# Altium PCB 4G_V4.0_5X4.PcbDoc (part 2 of 4)
Units mm, origin at the board's own origin, x right, y up, seen from the top; angles counter-clockwise.
Board outline 189.75 x 201.25 mm, 2 copper layers (Top Layer, Bottom Layer); 760 components, 0 nets, 5752 pads, 780 vias.
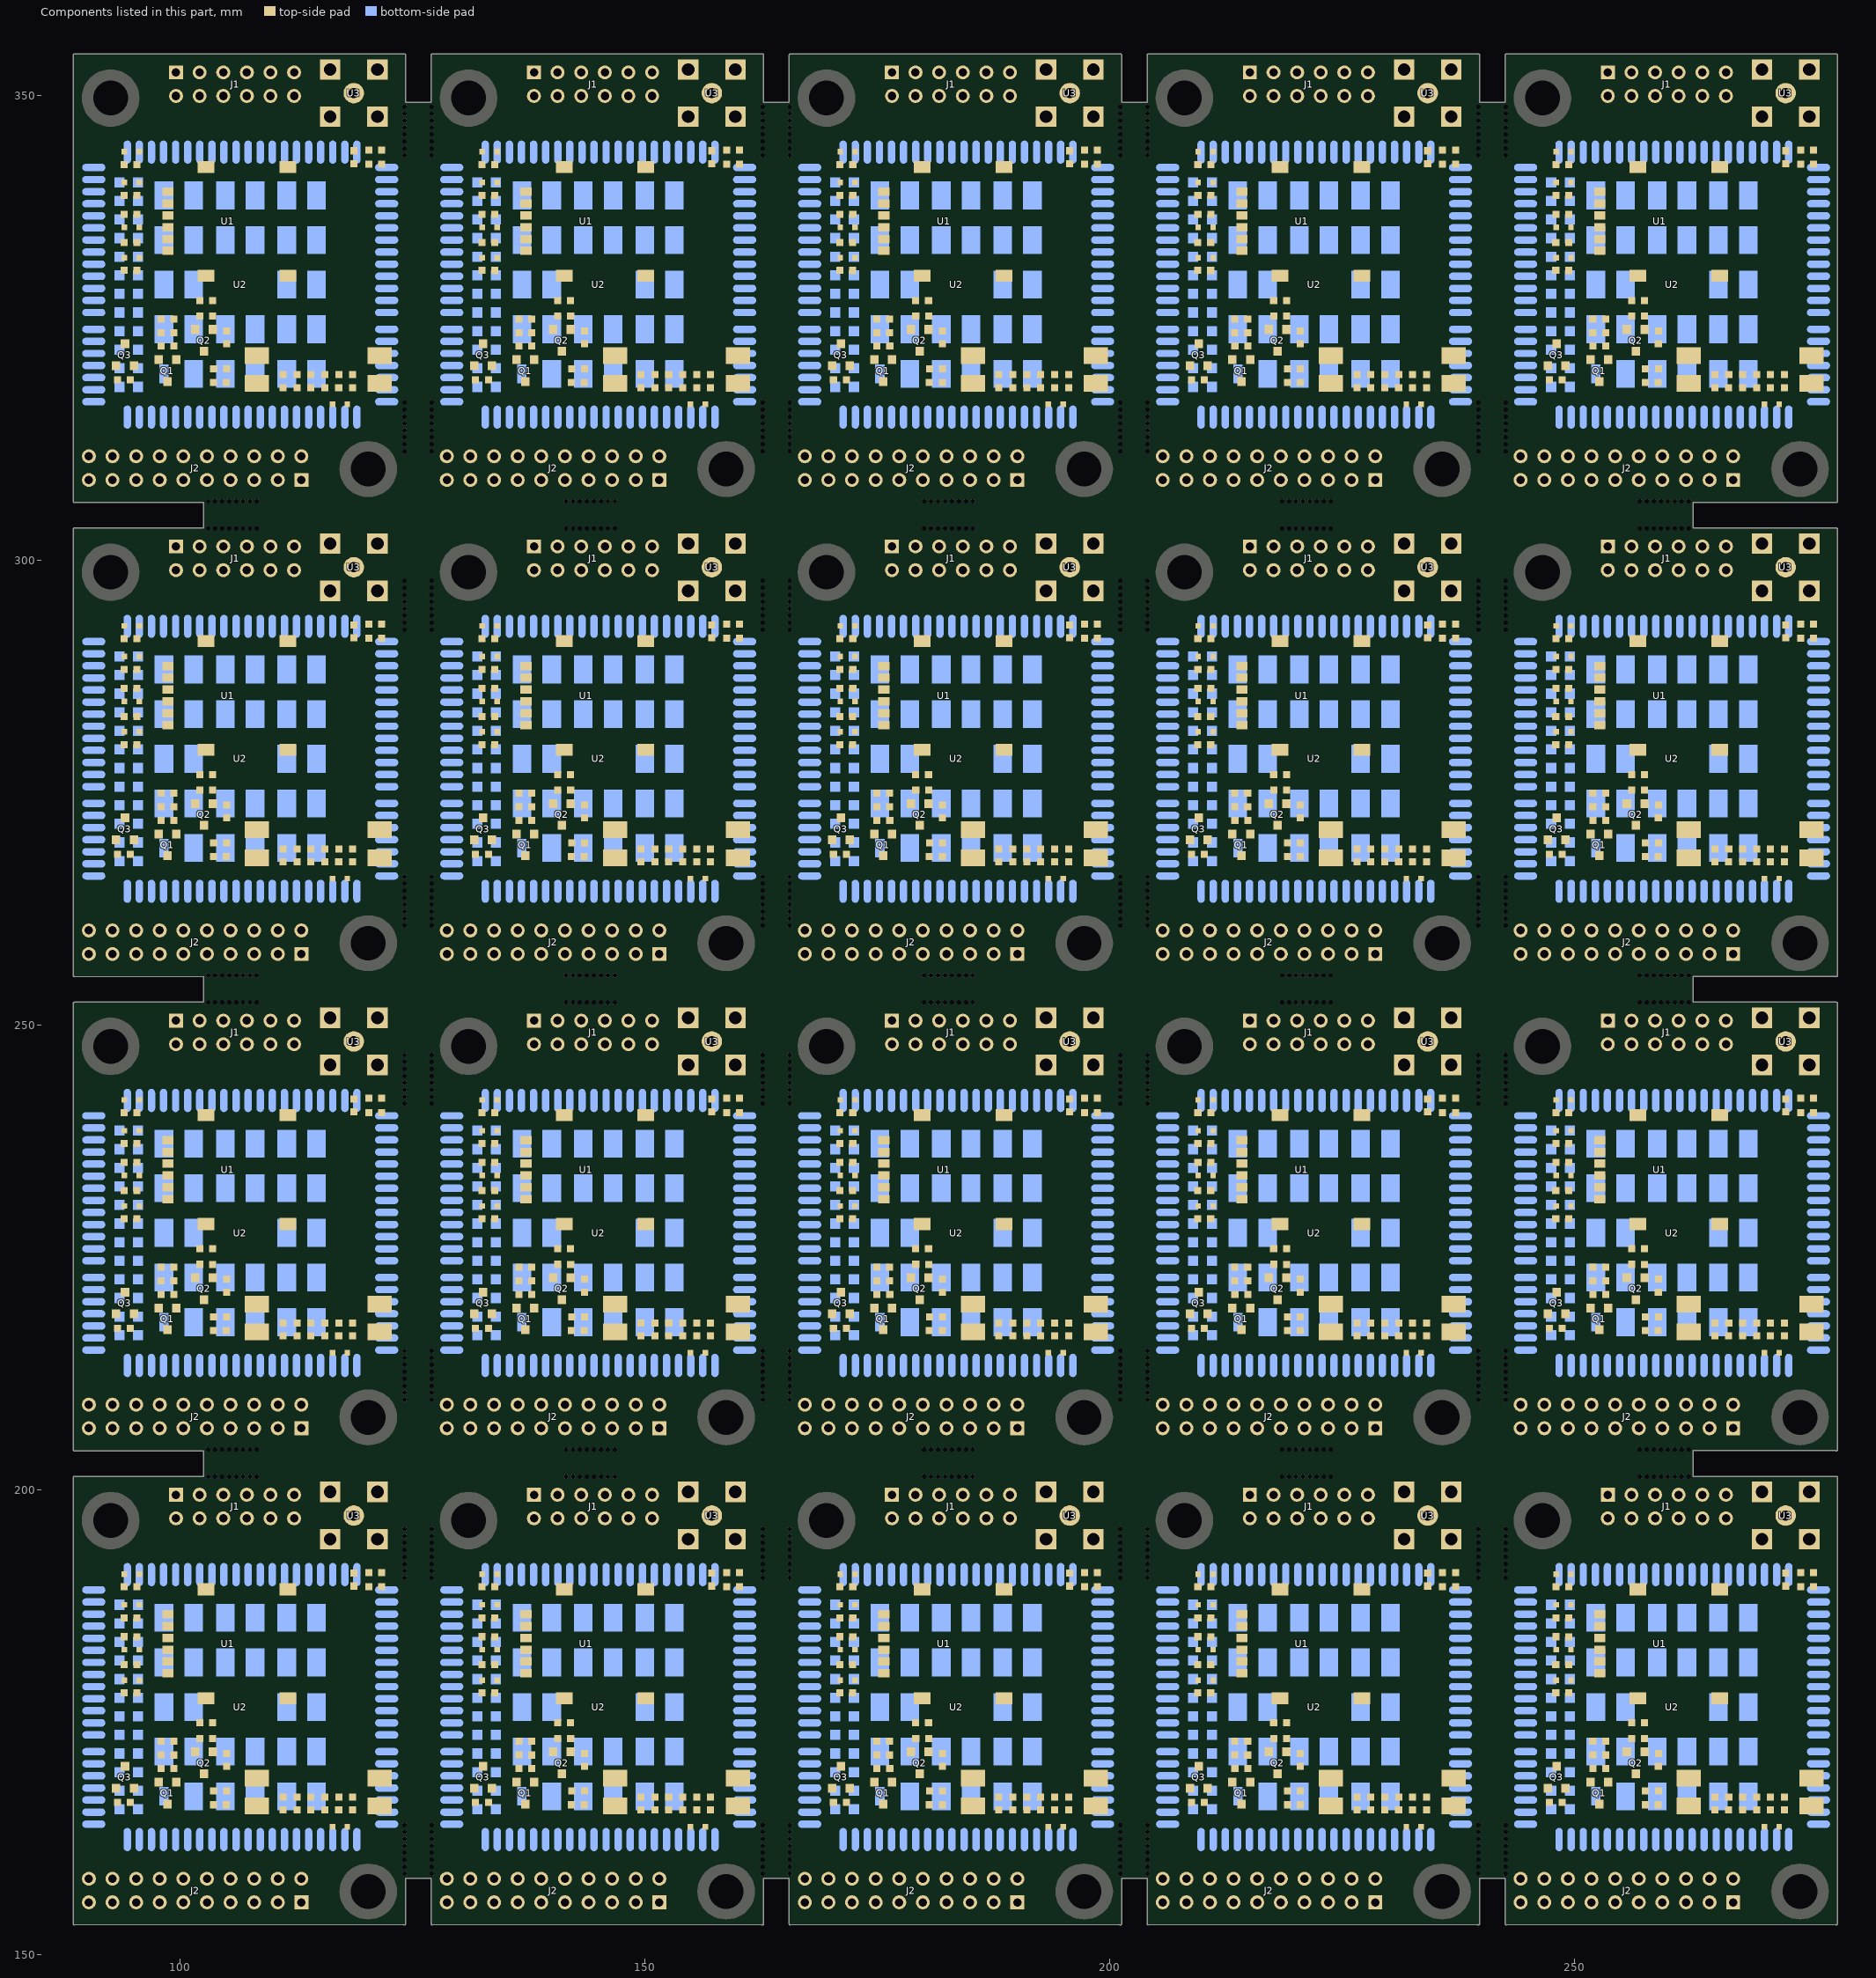
[diagram p2: the components of this part, seen from the top]

## Part data
C1 C1 C1 C1 C1 C1 C1 C1 C1 C1 C1 C1 C1 C1 C1 C1 C1 C1 C1 C1 C2 C2 C2 C2 C2 C2 C2 C2 C2 C2 C2 C2 C2 C2 C2 C2 C2 C2 C2 C2 C3 C3 C3 C3 C3 C3 C3 C3 C3 C3 C3 C3 C3 C3 C3 C3 C3 C3 C3 C3 C4 C4 C4 C4 C4 C4 C4 C4 C4 C4 C4 C4 C4 C4 C4 C4 C4 C4 C4 C4 C5 C5 C5 C5 C5 C5 C5 C5 C5 C5 C5 C5 C5 C5 C5 C5 C5 C5 C5 C5 C6 C6 C6 C6 C6 C6 C6 C6 C6 C6 C6 C6 C6 C6 C6 C6 C6 C6 C6 C6 C7 C7 C7 C7 C7 C7 C7 C7 C7 C7 C7 C7 C7 C7 C7 C7 C7 C7 C7 C7 C8 C8 C8 C8 C8 C8 C8 C8 C8 C8 C8 C8 C8 C8 C8 C8 C8 C8 C8 C8 C10 C10 C10 C10 C10 C10 C10 C10 C10 C10 C10 C10 C10 C10 C10 C10 C10 C10 C10 C10 C11 C11 C11 C11 C11 C11 C11 C11 C11 C11 C11 C11 C11 C11 C11 C11 C11 C11 C11 C11 C12 C12 C12 C12 C12 C12 C12 C12 C12 C12 C12 C12 C12 C12 C12 C12 C12 C12 C12 C12 C14 C14 C14 C14 C14 C14 C14 C14 C14 C14 C14 C14 C14 C14 C14 C14 C14 C14 C14 C14 C15 C15 C15 C15 C15 C15 C15 C15 C15 C15 C15 C15 C15 C15 C15 C15 C15 C15 C15 C15 C16 C16 C16 C16 C16 C16 C16 C16 C16 C16 C16 C16 C16 C16 C16 C16 C16 C16 C16 C16: library part CAP, "无极性电容"
C9 C9 C9 C9 C9 C9 C9 C9 C9 C9 C9 C9 C9 C9 C9 C9 C9 C9 C9 C9 C13 C13 C13 C13 C13 C13 C13 C13 C13 C13 C13 C13 C13 C13 C13 C13 C13 C13 C13 C13: library part "CAP POLAR", "钽电容"
D1 D1 D1 D1 D1 D1 D1 D1 D1 D1 D1 D1 D1 D1 D1 D1 D1 D1 D1 D1 D2 D2 D2 D2 D2 D2 D2 D2 D2 D2 D2 D2 D2 D2 D2 D2 D2 D2 D2 D2 D3 D3 D3 D3 D3 D3 D3 D3 D3 D3 D3 D3 D3 D3 D3 D3 D3 D3 D3 D3 D4 D4 D4 D4 D4 D4 D4 D4 D4 D4 D4 D4 D4 D4 D4 D4 D4 D4 D4 D4 D6 D6 D6 D6 D6 D6 D6 D6 D6 D6 D6 D6 D6 D6 D6 D6 D6 D6 D6 D6: library part TVS, "TVS 瞬态抑制二极管"
D5 D5 D5 D5 D5 D5 D5 D5 D5 D5 D5 D5 D5 D5 D5 D5 D5 D5 D5 D5: library part LED, "发光二极管"
J1 J1 J1 J1 J1 J1 J1 J1 J1 J1 J1 J1 J1 J1 J1 J1 J1 J1 J1 J1: "Header, 6-Pin, Dual row"
J2 J2 J2 J2 J2 J2 J2 J2 J2 J2 J2 J2 J2 J2 J2 J2 J2 J2 J2 J2: "Header, 10-Pin, Dual row"
Q1 Q1 Q1 Q1 Q1 Q1 Q1 Q1 Q1 Q1 Q1 Q1 Q1 Q1 Q1 Q1 Q1 Q1 Q1 Q1 Q2 Q2 Q2 Q2 Q2 Q2 Q2 Q2 Q2 Q2 Q2 Q2 Q2 Q2 Q2 Q2 Q2 Q2 Q2 Q2: library part S8050, "NPN"
Q3 Q3 Q3 Q3 Q3 Q3 Q3 Q3 Q3 Q3 Q3 Q3 Q3 Q3 Q3 Q3 Q3 Q3 Q3 Q3: "NPN三极管"
R1 R1 R1 R1 R1 R1 R1 R1 R1 R1 R1 R1 R1 R1 R1 R1 R1 R1 R1 R1 R2 R2 R2 R2 R2 R2 R2 R2 R2 R2 R2 R2 R2 R2 R2 R2 R2 R2 R2 R2 R3 R3 R3 R3 R3 R3 R3 R3 R3 R3 R3 R3 R3 R3 R3 R3 R3 R3 R3 R3 R4 R4 R4 R4 R4 R4 R4 R4 R4 R4 R4 R4 R4 R4 R4 R4 R4 R4 R4 R4 R5 R5 R5 R5 R5 R5 R5 R5 R5 R5 R5 R5 R5 R5 R5 R5 R5 R5 R5 R5 R6 R6 R6 R6 R6 R6 R6 R6 R6 R6 R6 R6 R6 R6 R6 R6 R6 R6 R6 R6 R7 R7 R7 R7 R7 R7 R7 R7 R7 R7 R7 R7 R7 R7 R7 R7 R7 R7 R7 R7 R8 R8 R8 R8 R8 R8 R8 R8 R8 R8 R8 R8 R8 R8 R8 R8 R8 R8 R8 R8: library part RES2, "电阻"
U1 U1 U1 U1 U1 U1 U1 U1 U1 U1 U1 U1 U1 U1 U1 U1 U1 U1 U1 U1: "无保护引脚SIM卡座"
U2 U2 U2 U2 U2 U2 U2 U2 U2 U2 U2 U2 U2 U2 U2 U2 U2 U2 U2 U2: "移远通信4G"
U3 U3 U3 U3 U3 U3 U3 U3 U3 U3 U3 U3 U3 U3 U3 U3 U3 U3 U3 U3: "天线座"

## Free pads (board coordinates)
  round 6.2 hole 3.73: 1(92.562,196.678) 1(92.562,247.678) 1(92.562,298.678) 1(92.562,349.678) 1(131.062,196.678) 1(131.062,247.678) 1(131.062,298.678) 1(131.062,349.678) 1(169.562,196.678) 1(169.562,247.678) 1(169.562,298.678) 1(169.562,349.678) 1(208.062,196.678) 1(208.062,247.678) 1(208.062,298.678) 1(208.062,349.678) 1(246.562,196.678) 1(246.562,247.678) 1(246.562,298.678) 1(246.562,349.678)
  oval 6.2x6 hole 3.73: 2(120.273,156.774) 2(120.273,207.774) 2(120.273,258.774) 2(120.273,309.774) 2(158.773,156.774) 2(158.773,207.774) 2(158.773,258.774) 2(158.773,309.774) 2(197.273,156.774) 2(197.273,207.774) 2(197.273,258.774) 2(197.273,309.774) 2(235.773,156.774) 2(235.773,207.774) 2(235.773,258.774) 2(235.773,309.774) 2(274.273,156.774) 2(274.273,207.774) 2(274.273,258.774) 2(274.273,309.774)
  round 0.5 hole 0.5: 5(103.052,201.391) 5(103.052,204.312) 5(103.052,252.391) 5(103.052,255.312) 5(103.052,303.391) 5(103.052,306.312) 5(124.175,158.679) 5(124.175,190.506) 5(124.175,209.679) 5(124.175,241.506) 5(124.175,260.679) 5(124.175,292.506) 5(124.175,311.679) 5(124.175,343.506) 5(127.096,158.679) 5(127.096,190.506) 5(127.096,209.679) 5(127.096,241.506) 5(127.096,260.679) 5(127.096,292.506) 5(127.096,311.679) 5(127.096,343.506) 5(141.552,201.391) 5(141.552,204.312) 5(141.552,252.391) 5(141.552,255.312) 5(141.552,303.391) 5(141.552,306.312) 5(162.675,158.679) 5(162.675,190.506) 5(162.675,209.679) 5(162.675,241.506) 5(162.675,260.679) 5(162.675,292.506) 5(162.675,311.679) 5(162.675,343.506) 5(165.596,158.679) 5(165.596,190.506) 5(165.596,209.679) 5(165.596,241.506) 5(165.596,260.679) 5(165.596,292.506) 5(165.596,311.679) 5(165.596,343.506) 5(180.052,201.391) 5(180.052,204.312) 5(180.052,252.391) 5(180.052,255.312) 5(180.052,303.391) 5(180.052,306.312) 5(201.175,158.679) 5(201.175,190.506) 5(201.175,209.679) 5(201.175,241.506) 5(201.175,260.679) 5(201.175,292.506) 5(201.175,311.679) 5(201.175,343.506) 5(204.096,158.679) 5(204.096,190.506) 5(204.096,209.679) 5(204.096,241.506) 5(204.096,260.679) 5(204.096,292.506) 5(204.096,311.679) 5(204.096,343.506) 5(218.552,201.391) 5(218.552,204.312) 5(218.552,252.391) 5(218.552,255.312) 5(218.552,303.391) 5(218.552,306.312) 5(239.675,158.679) 5(239.675,190.506) 5(239.675,209.679) 5(239.675,241.506) 5(239.675,260.679) 5(239.675,292.506) 5(239.675,311.679) 5(239.675,343.506) 5(242.596,158.679) 5(242.596,190.506) 5(242.596,209.679) 5(242.596,241.506) 5(242.596,260.679) 5(242.596,292.506) 5(242.596,311.679) 5(242.596,343.506) 5(257.052,201.391) 5(257.052,204.312) 5(257.052,252.391) 5(257.052,255.312) 5(257.052,303.391) 5(257.052,306.312) 6(103.802,201.391) 6(103.802,204.312) 6(103.802,252.391) 6(103.802,255.312) 6(103.802,303.391) 6(103.802,306.312) 6(124.175,159.429) 6(124.175,191.256) 6(124.175,210.429) 6(124.175,242.256) 6(124.175,261.429) 6(124.175,293.256) 6(124.175,312.429) 6(124.175,344.256) 6(127.096,159.429) 6(127.096,191.256) 6(127.096,210.429) 6(127.096,242.256) 6(127.096,261.429) 6(127.096,293.256) 6(127.096,312.429) 6(127.096,344.256) 6(142.302,201.391) 6(142.302,204.312) 6(142.302,252.391) 6(142.302,255.312) 6(142.302,303.391) 6(142.302,306.312) 6(162.675,159.429) 6(162.675,191.256) 6(162.675,210.429) 6(162.675,242.256) 6(162.675,261.429) 6(162.675,293.256) 6(162.675,312.429) 6(162.675,344.256) 6(165.596,159.429) 6(165.596,191.256) 6(165.596,210.429) 6(165.596,242.256) 6(165.596,261.429) 6(165.596,293.256) 6(165.596,312.429) 6(165.596,344.256) 6(180.802,201.391) 6(180.802,204.312) 6(180.802,252.391) 6(180.802,255.312) 6(180.802,303.391) 6(180.802,306.312) 6(201.175,159.429) 6(201.175,191.256) 6(201.175,210.429) 6(201.175,242.256) 6(201.175,261.429) 6(201.175,293.256) 6(201.175,312.429) 6(201.175,344.256) 6(204.096,159.429) 6(204.096,191.256) 6(204.096,210.429) 6(204.096,242.256) 6(204.096,261.429) 6(204.096,293.256) 6(204.096,312.429) 6(204.096,344.256) 6(219.302,201.391) 6(219.302,204.312) 6(219.302,252.391) 6(219.302,255.312) 6(219.302,303.391) 6(219.302,306.312) 6(239.675,159.429) 6(239.675,191.256) 6(239.675,210.429) 6(239.675,242.256) 6(239.675,261.429) 6(239.675,293.256) 6(239.675,312.429) 6(239.675,344.256) 6(242.596,159.429) 6(242.596,191.256) 6(242.596,210.429) 6(242.596,242.256) 6(242.596,261.429) 6(242.596,293.256) 6(242.596,312.429) 6(242.596,344.256) 6(257.802,201.391) 6(257.802,204.312) 6(257.802,252.391) 6(257.802,255.312) 6(257.802,303.391) 6(257.802,306.312) 7(104.552,201.391) 7(104.552,204.312) 7(104.552,252.391) 7(104.552,255.312) 7(104.552,303.391) 7(104.552,306.312) 7(124.175,160.179) 7(124.175,192.006) 7(124.175,211.179) 7(124.175,243.006) 7(124.175,262.179) 7(124.175,294.006) 7(124.175,313.179) 7(124.175,345.006) 7(127.096,160.179) 7(127.096,192.006) 7(127.096,211.179) 7(127.096,243.006) 7(127.096,262.179) 7(127.096,294.006) 7(127.096,313.179) 7(127.096,345.006) 7(143.052,201.391) 7(143.052,204.312) 7(143.052,252.391) 7(143.052,255.312) 7(143.052,303.391) 7(143.052,306.312) 7(162.675,160.179) 7(162.675,192.006) 7(162.675,211.179) 7(162.675,243.006) 7(162.675,262.179) 7(162.675,294.006) 7(162.675,313.179) 7(162.675,345.006) 7(165.596,160.179) 7(165.596,192.006) 7(165.596,211.179) 7(165.596,243.006) 7(165.596,262.179) 7(165.596,294.006) 7(165.596,313.179) 7(165.596,345.006) 7(181.552,201.391) 7(181.552,204.312) 7(181.552,252.391) 7(181.552,255.312) 7(181.552,303.391) 7(181.552,306.312) 7(201.175,160.179) 7(201.175,192.006) 7(201.175,211.179) 7(201.175,243.006) 7(201.175,262.179) 7(201.175,294.006) 7(201.175,313.179) 7(201.175,345.006) 7(204.096,160.179) 7(204.096,192.006) 7(204.096,211.179) 7(204.096,243.006) 7(204.096,262.179) 7(204.096,294.006) 7(204.096,313.179) 7(204.096,345.006) 7(220.052,201.391) 7(220.052,204.312) 7(220.052,252.391) 7(220.052,255.312) 7(220.052,303.391) 7(220.052,306.312) 7(239.675,160.179) 7(239.675,192.006) 7(239.675,211.179) 7(239.675,243.006) 7(239.675,262.179) 7(239.675,294.006) 7(239.675,313.179) 7(239.675,345.006) 7(242.596,160.179) 7(242.596,192.006) 7(242.596,211.179) 7(242.596,243.006) 7(242.596,262.179) 7(242.596,294.006) 7(242.596,313.179) 7(242.596,345.006) 7(258.552,201.391) 7(258.552,204.312) 7(258.552,252.391) 7(258.552,255.312) 7(258.552,303.391) 7(258.552,306.312) 8(105.302,201.391) 8(105.302,204.312) 8(105.302,252.391) 8(105.302,255.312) 8(105.302,303.391) 8(105.302,306.312) 8(124.175,160.929) 8(124.175,192.756) 8(124.175,211.929) 8(124.175,243.756) 8(124.175,262.929) 8(124.175,294.756) 8(124.175,313.929) 8(124.175,345.756) 8(127.096,160.929) 8(127.096,192.756) 8(127.096,211.929) 8(127.096,243.756) 8(127.096,262.929) 8(127.096,294.756) 8(127.096,313.929) 8(127.096,345.756) 8(143.802,201.391) 8(143.802,204.312) 8(143.802,252.391) 8(143.802,255.312) 8(143.802,303.391) 8(143.802,306.312) 8(162.675,160.929) 8(162.675,192.756) 8(162.675,211.929) 8(162.675,243.756) 8(162.675,262.929) 8(162.675,294.756) 8(162.675,313.929) 8(162.675,345.756) 8(165.596,160.929) 8(165.596,192.756) 8(165.596,211.929) 8(165.596,243.756) 8(165.596,262.929) 8(165.596,294.756) 8(165.596,313.929) 8(165.596,345.756) 8(182.302,201.391) 8(182.302,204.312) 8(182.302,252.391) 8(182.302,255.312) 8(182.302,303.391) 8(182.302,306.312) 8(201.175,160.929) 8(201.175,192.756) 8(201.175,211.929) 8(201.175,243.756) 8(201.175,262.929) 8(201.175,294.756) 8(201.175,313.929) 8(201.175,345.756) 8(204.096,160.929) 8(204.096,192.756) 8(204.096,211.929) 8(204.096,243.756) 8(204.096,262.929) 8(204.096,294.756) 8(204.096,313.929) 8(204.096,345.756) 8(220.802,201.391) 8(220.802,204.312) 8(220.802,252.391) 8(220.802,255.312) 8(220.802,303.391) 8(220.802,306.312) 8(239.675,160.929) 8(239.675,192.756) 8(239.675,211.929) 8(239.675,243.756) 8(239.675,262.929) 8(239.675,294.756) 8(239.675,313.929) 8(239.675,345.756) 8(242.596,160.929) 8(242.596,192.756) 8(242.596,211.929) 8(242.596,243.756) 8(242.596,262.929) 8(242.596,294.756) 8(242.596,313.929) 8(242.596,345.756) 8(259.302,201.391) 8(259.302,204.312) 8(259.302,252.391) 8(259.302,255.312) 8(259.302,303.391) 8(259.302,306.312) 9(106.052,201.391) 9(106.052,204.312) 9(106.052,252.391) 9(106.052,255.312) 9(106.052,303.391) 9(106.052,306.312) 9(124.175,161.679) 9(124.175,193.506) 9(124.175,212.679) 9(124.175,244.506) 9(124.175,263.679) 9(124.175,295.506) 9(124.175,314.679) 9(124.175,346.506) 9(127.096,161.679) 9(127.096,193.506) 9(127.096,212.679) 9(127.096,244.506) 9(127.096,263.679) 9(127.096,295.506) 9(127.096,314.679) 9(127.096,346.506) 9(144.552,201.391) 9(144.552,204.312) 9(144.552,252.391) 9(144.552,255.312) 9(144.552,303.391) 9(144.552,306.312) 9(162.675,161.679) 9(162.675,193.506) 9(162.675,212.679) 9(162.675,244.506) 9(162.675,263.679) 9(162.675,295.506) 9(162.675,314.679) 9(162.675,346.506) 9(165.596,161.679) 9(165.596,193.506) 9(165.596,212.679) 9(165.596,244.506) 9(165.596,263.679) 9(165.596,295.506) 9(165.596,314.679) 9(165.596,346.506) 9(183.052,201.391) 9(183.052,204.312) 9(183.052,252.391) 9(183.052,255.312) 9(183.052,303.391) 9(183.052,306.312) 9(201.175,161.679) 9(201.175,193.506) 9(201.175,212.679) 9(201.175,244.506) 9(201.175,263.679) 9(201.175,295.506) 9(201.175,314.679) 9(201.175,346.506) 9(204.096,161.679) 9(204.096,193.506) 9(204.096,212.679) 9(204.096,244.506) 9(204.096,263.679) 9(204.096,295.506) 9(204.096,314.679) 9(204.096,346.506) 9(221.552,201.391) 9(221.552,204.312) 9(221.552,252.391) 9(221.552,255.312) 9(221.552,303.391) 9(221.552,306.312) 9(239.675,161.679) 9(239.675,193.506) 9(239.675,212.679) 9(239.675,244.506) 9(239.675,263.679) 9(239.675,295.506) 9(239.675,314.679) 9(239.675,346.506) 9(242.596,161.679) 9(242.596,193.506) 9(242.596,212.679) 9(242.596,244.506) 9(242.596,263.679) 9(242.596,295.506) 9(242.596,314.679) 9(242.596,346.506) 9(260.052,201.391) 9(260.052,204.312) 9(260.052,252.391) 9(260.052,255.312) 9(260.052,303.391) 9(260.052,306.312) 10(106.802,201.391) 10(106.802,204.312) 10(106.802,252.391) 10(106.802,255.312) 10(106.802,303.391) 10(106.802,306.312) 10(124.175,162.429) 10(124.175,194.256) 10(124.175,213.429) 10(124.175,245.256) 10(124.175,264.429) 10(124.175,296.256) 10(124.175,315.429) 10(124.175,347.256) 10(127.096,162.429) 10(127.096,194.256) 10(127.096,213.429) 10(127.096,245.256) 10(127.096,264.429) 10(127.096,296.256) 10(127.096,315.429) 10(127.096,347.256) 10(145.302,201.391) 10(145.302,204.312) 10(145.302,252.391) 10(145.302,255.312) 10(145.302,303.391) 10(145.302,306.312) 10(162.675,162.429) 10(162.675,194.256) 10(162.675,213.429) 10(162.675,245.256) 10(162.675,264.429) 10(162.675,296.256) 10(162.675,315.429) 10(162.675,347.256) 10(165.596,162.429) 10(165.596,194.256) 10(165.596,213.429) 10(165.596,245.256) 10(165.596,264.429) 10(165.596,296.256) 10(165.596,315.429) 10(165.596,347.256) 10(183.802,201.391) 10(183.802,204.312) 10(183.802,252.391) 10(183.802,255.312) 10(183.802,303.391) 10(183.802,306.312) 10(201.175,162.429) 10(201.175,194.256) 10(201.175,213.429) 10(201.175,245.256) 10(201.175,264.429) 10(201.175,296.256) 10(201.175,315.429) 10(201.175,347.256) 10(204.096,162.429) 10(204.096,194.256) 10(204.096,213.429) 10(204.096,245.256) 10(204.096,264.429) 10(204.096,296.256) 10(204.096,315.429) 10(204.096,347.256) 10(222.302,201.391) 10(222.302,204.312) 10(222.302,252.391) 10(222.302,255.312) 10(222.302,303.391) 10(222.302,306.312) 10(239.675,162.429) 10(239.675,194.256) 10(239.675,213.429) 10(239.675,245.256) 10(239.675,264.429) 10(239.675,296.256) 10(239.675,315.429) 10(239.675,347.256) 10(242.596,162.429) 10(242.596,194.256) 10(242.596,213.429) 10(242.596,245.256) 10(242.596,264.429) 10(242.596,296.256) 10(242.596,315.429) 10(242.596,347.256) 10(260.802,201.391) 10(260.802,204.312) 10(260.802,252.391) 10(260.802,255.312) 10(260.802,303.391) 10(260.802,306.312) 11(107.552,201.391) 11(107.552,204.312) 11(107.552,252.391) 11(107.552,255.312) 11(107.552,303.391) 11(107.552,306.312) 11(124.175,163.179) 11(124.175,195.006) 11(124.175,214.179) 11(124.175,246.006) 11(124.175,265.179) 11(124.175,297.006) 11(124.175,316.179) 11(124.175,348.006) 11(127.096,163.179) 11(127.096,195.006) 11(127.096,214.179) 11(127.096,246.006) 11(127.096,265.179) 11(127.096,297.006) 11(127.096,316.179) 11(127.096,348.006) 11(146.052,201.391) 11(146.052,204.312) 11(146.052,252.391) 11(146.052,255.312) 11(146.052,303.391) 11(146.052,306.312) 11(162.675,163.179) 11(162.675,195.006) 11(162.675,214.179) 11(162.675,246.006) 11(162.675,265.179) 11(162.675,297.006) 11(162.675,316.179) 11(162.675,348.006) 11(165.596,163.179) 11(165.596,195.006) 11(165.596,214.179) 11(165.596,246.006) 11(165.596,265.179) 11(165.596,297.006) 11(165.596,316.179) 11(165.596,348.006) 11(184.552,201.391) 11(184.552,204.312) 11(184.552,252.391) 11(184.552,255.312) 11(184.552,303.391) 11(184.552,306.312) 11(201.175,163.179) 11(201.175,195.006) 11(201.175,214.179) 11(201.175,246.006) 11(201.175,265.179) 11(201.175,297.006) 11(201.175,316.179) 11(201.175,348.006) 11(204.096,163.179) 11(204.096,195.006) 11(204.096,214.179) 11(204.096,246.006) 11(204.096,265.179) 11(204.096,297.006) 11(204.096,316.179) 11(204.096,348.006) 11(223.052,201.391) 11(223.052,204.312) 11(223.052,252.391) 11(223.052,255.312) 11(223.052,303.391) 11(223.052,306.312) 11(239.675,163.179) 11(239.675,195.006) 11(239.675,214.179) 11(239.675,246.006) 11(239.675,265.179) 11(239.675,297.006) 11(239.675,316.179) 11(239.675,348.006) 11(242.596,163.179) 11(242.596,195.006) 11(242.596,214.179) 11(242.596,246.006) 11(242.596,265.179) 11(242.596,297.006) 11(242.596,316.179) 11(242.596,348.006) 11(261.552,201.391) 11(261.552,204.312) 11(261.552,252.391) 11(261.552,255.312) 11(261.552,303.391) 11(261.552,306.312) 12(108.302,201.391) 12(108.302,204.312) 12(108.302,252.391) 12(108.302,255.312) 12(108.302,303.391) 12(108.302,306.312) 12(124.175,163.929) 12(124.175,195.756) 12(124.175,214.929) 12(124.175,246.756) 12(124.175,265.929) 12(124.175,297.756) 12(124.175,316.929) 12(124.175,348.756) 12(127.096,163.929) 12(127.096,195.756) 12(127.096,214.929) 12(127.096,246.756) 12(127.096,265.929) 12(127.096,297.756) 12(127.096,316.929) 12(127.096,348.756) 12(146.802,201.391) 12(146.802,204.312) 12(146.802,252.391) 12(146.802,255.312) 12(146.802,303.391) 12(146.802,306.312) 12(162.675,163.929) 12(162.675,195.756) 12(162.675,214.929) 12(162.675,246.756) 12(162.675,265.929) 12(162.675,297.756) 12(162.675,316.929) 12(162.675,348.756) 12(165.596,163.929) 12(165.596,195.756) 12(165.596,214.929) 12(165.596,246.756) 12(165.596,265.929) 12(165.596,297.756) 12(165.596,316.929) 12(165.596,348.756) 12(185.302,201.391) 12(185.302,204.312) 12(185.302,252.391) 12(185.302,255.312) 12(185.302,303.391) 12(185.302,306.312) 12(201.175,163.929) 12(201.175,195.756) 12(201.175,214.929) 12(201.175,246.756) 12(201.175,265.929) 12(201.175,297.756) 12(201.175,316.929) 12(201.175,348.756) 12(204.096,163.929) 12(204.096,195.756) 12(204.096,214.929) 12(204.096,246.756) 12(204.096,265.929) 12(204.096,297.756) 12(204.096,316.929) 12(204.096,348.756) 12(223.802,201.391) 12(223.802,204.312) 12(223.802,252.391) 12(223.802,255.312) 12(223.802,303.391) 12(223.802,306.312) 12(239.675,163.929) 12(239.675,195.756) 12(239.675,214.929) 12(239.675,246.756) 12(239.675,265.929) 12(239.675,297.756) 12(239.675,316.929) 12(239.675,348.756) 12(242.596,163.929) 12(242.596,195.756) 12(242.596,214.929) 12(242.596,246.756) 12(242.596,265.929) 12(242.596,297.756) 12(242.596,316.929) 12(242.596,348.756) 12(262.302,201.391) 12(262.302,204.312) 12(262.302,252.391) 12(262.302,255.312) 12(262.302,303.391) 12(262.302,306.312)

## Via types
v1: diameter 0.5, hole 0.3, Top Layer to Bottom Layer, tented both sides, 720 vias
v2: diameter 0.9, hole 0.7, Top Layer to Bottom Layer, tented both sides, 40 vias
v3: diameter 0.7, hole 0.5, Top Layer to Bottom Layer, tented both sides, 20 vias

## Nets (pads, with @x,y where several pads share a name; then routed paths per layer and width w, separated by ;. In a path a pad name is that pad's centre, name@x,y a point inside that pad or via, vN(x,y) a via of type N, cw(c..) or ccw(c..) an arc to the next point about the centre after c; other vN are vias at no path point)
pads on no net: C1.1 C1.2 C2.1 C2.2 C3.1 C3.2 C4.1 C4.2 C5.1 C5.2 C6.1 C6.2 C7.1 C7.2 C8.1 C8.2 C9.1 C9.2 C10.1 C10.2 C11.1 C11.2 C12.1 C12.2 C13.1 C13.2 C14.1 C14.2 C15.1 C15.2 C16.1 C16.2 D1.1 D1.2 D2.1 D2.2 D3.1 D3.2 D4.1 D4.2 D5.1 D5.2 D6.1 D6.2 J1.1 J1.2 J1.3 J1.4 J1.5 J1.6 J1.7 J1.8 J1.9 J1.10 J1.11 J1.12 J2.1 J2.2 J2.3 J2.4 J2.5 J2.6 J2.7 J2.8 J2.9 J2.10 J2.11 J2.12 J2.13 J2.14 J2.15 J2.16 J2.17 J2.18 J2.19 J2.20 Q1.1 Q1.2 Q1.3 Q2.1 Q2.2 Q2.3 Q3.1 Q3.2 Q3.3 R1.1 R1.2 R2.1 R2.2 R3.1 R3.2 R4.1 R4.2 R5.1 R5.2 R6.1 R6.2 R7.1 R7.2 R8.1 R8.2 U1.0 U1.1 U1.2 U1.3 U1.4 U1.5 U1.6 U2.1 U2.2 U2.3 U2.4 U2.5 U2.6 U2.7 U2.8 U2.9 U2.10 U2.11 U2.12 U2.13 U2.14 U2.15 U2.16 U2.17 U2.18 U2.19 U2.20 U2.21 U2.22 U2.23 U2.24 U2.25 U2.26 U2.27 U2.28 U2.29 U2.30 U2.31 U2.32 U2.33 U2.34 U2.35 U2.36 U2.37 U2.38 U2.39 U2.40 U2.41 U2.42 U2.43 U2.44 U2.45 U2.46 U2.47 U2.48 U2.49 U2.50 U2.51 U2.52 U2.53 U2.54 U2.55 U2.56 U2.57 U2.58 U2.59 U2.60 U2.61 U2.62 U2.63 U2.64 U2.65 U2.66 U2.67 U2.68 U2.69 U2.70 U2.71 U2.72 U2.85 U2.86 U2.87 U2.88 U2.89 U2.90 U2.91 U2.92 U2.93 U2.94 U2.95 U2.96 U2.97 U2.98 U2.99 U2.100 U2.101 U2.102 U2.103 U2.104 U2.105 U2.106 U2.107 U2.108 U2.109 U2.110 U2.111 U2.112 U2.113 U2.114 U2.115 U2.116 U2.117 U2.118 U2.119 U2.120 U2.121 U2.122 U2.123 U2.124 U2.125 U2.126 U2.127 U2.128 U2.129 U2.130 U2.131 U2.132 U2.133 U2.134 U2.135 U2.136 U2.137 U2.138 U2.139 U2.140 U2.141 U2.142 U2.143 U2.144 U3.0 U3.1